# Allegro board reServer industrial J401 Carrier Board v11.brd (continued)
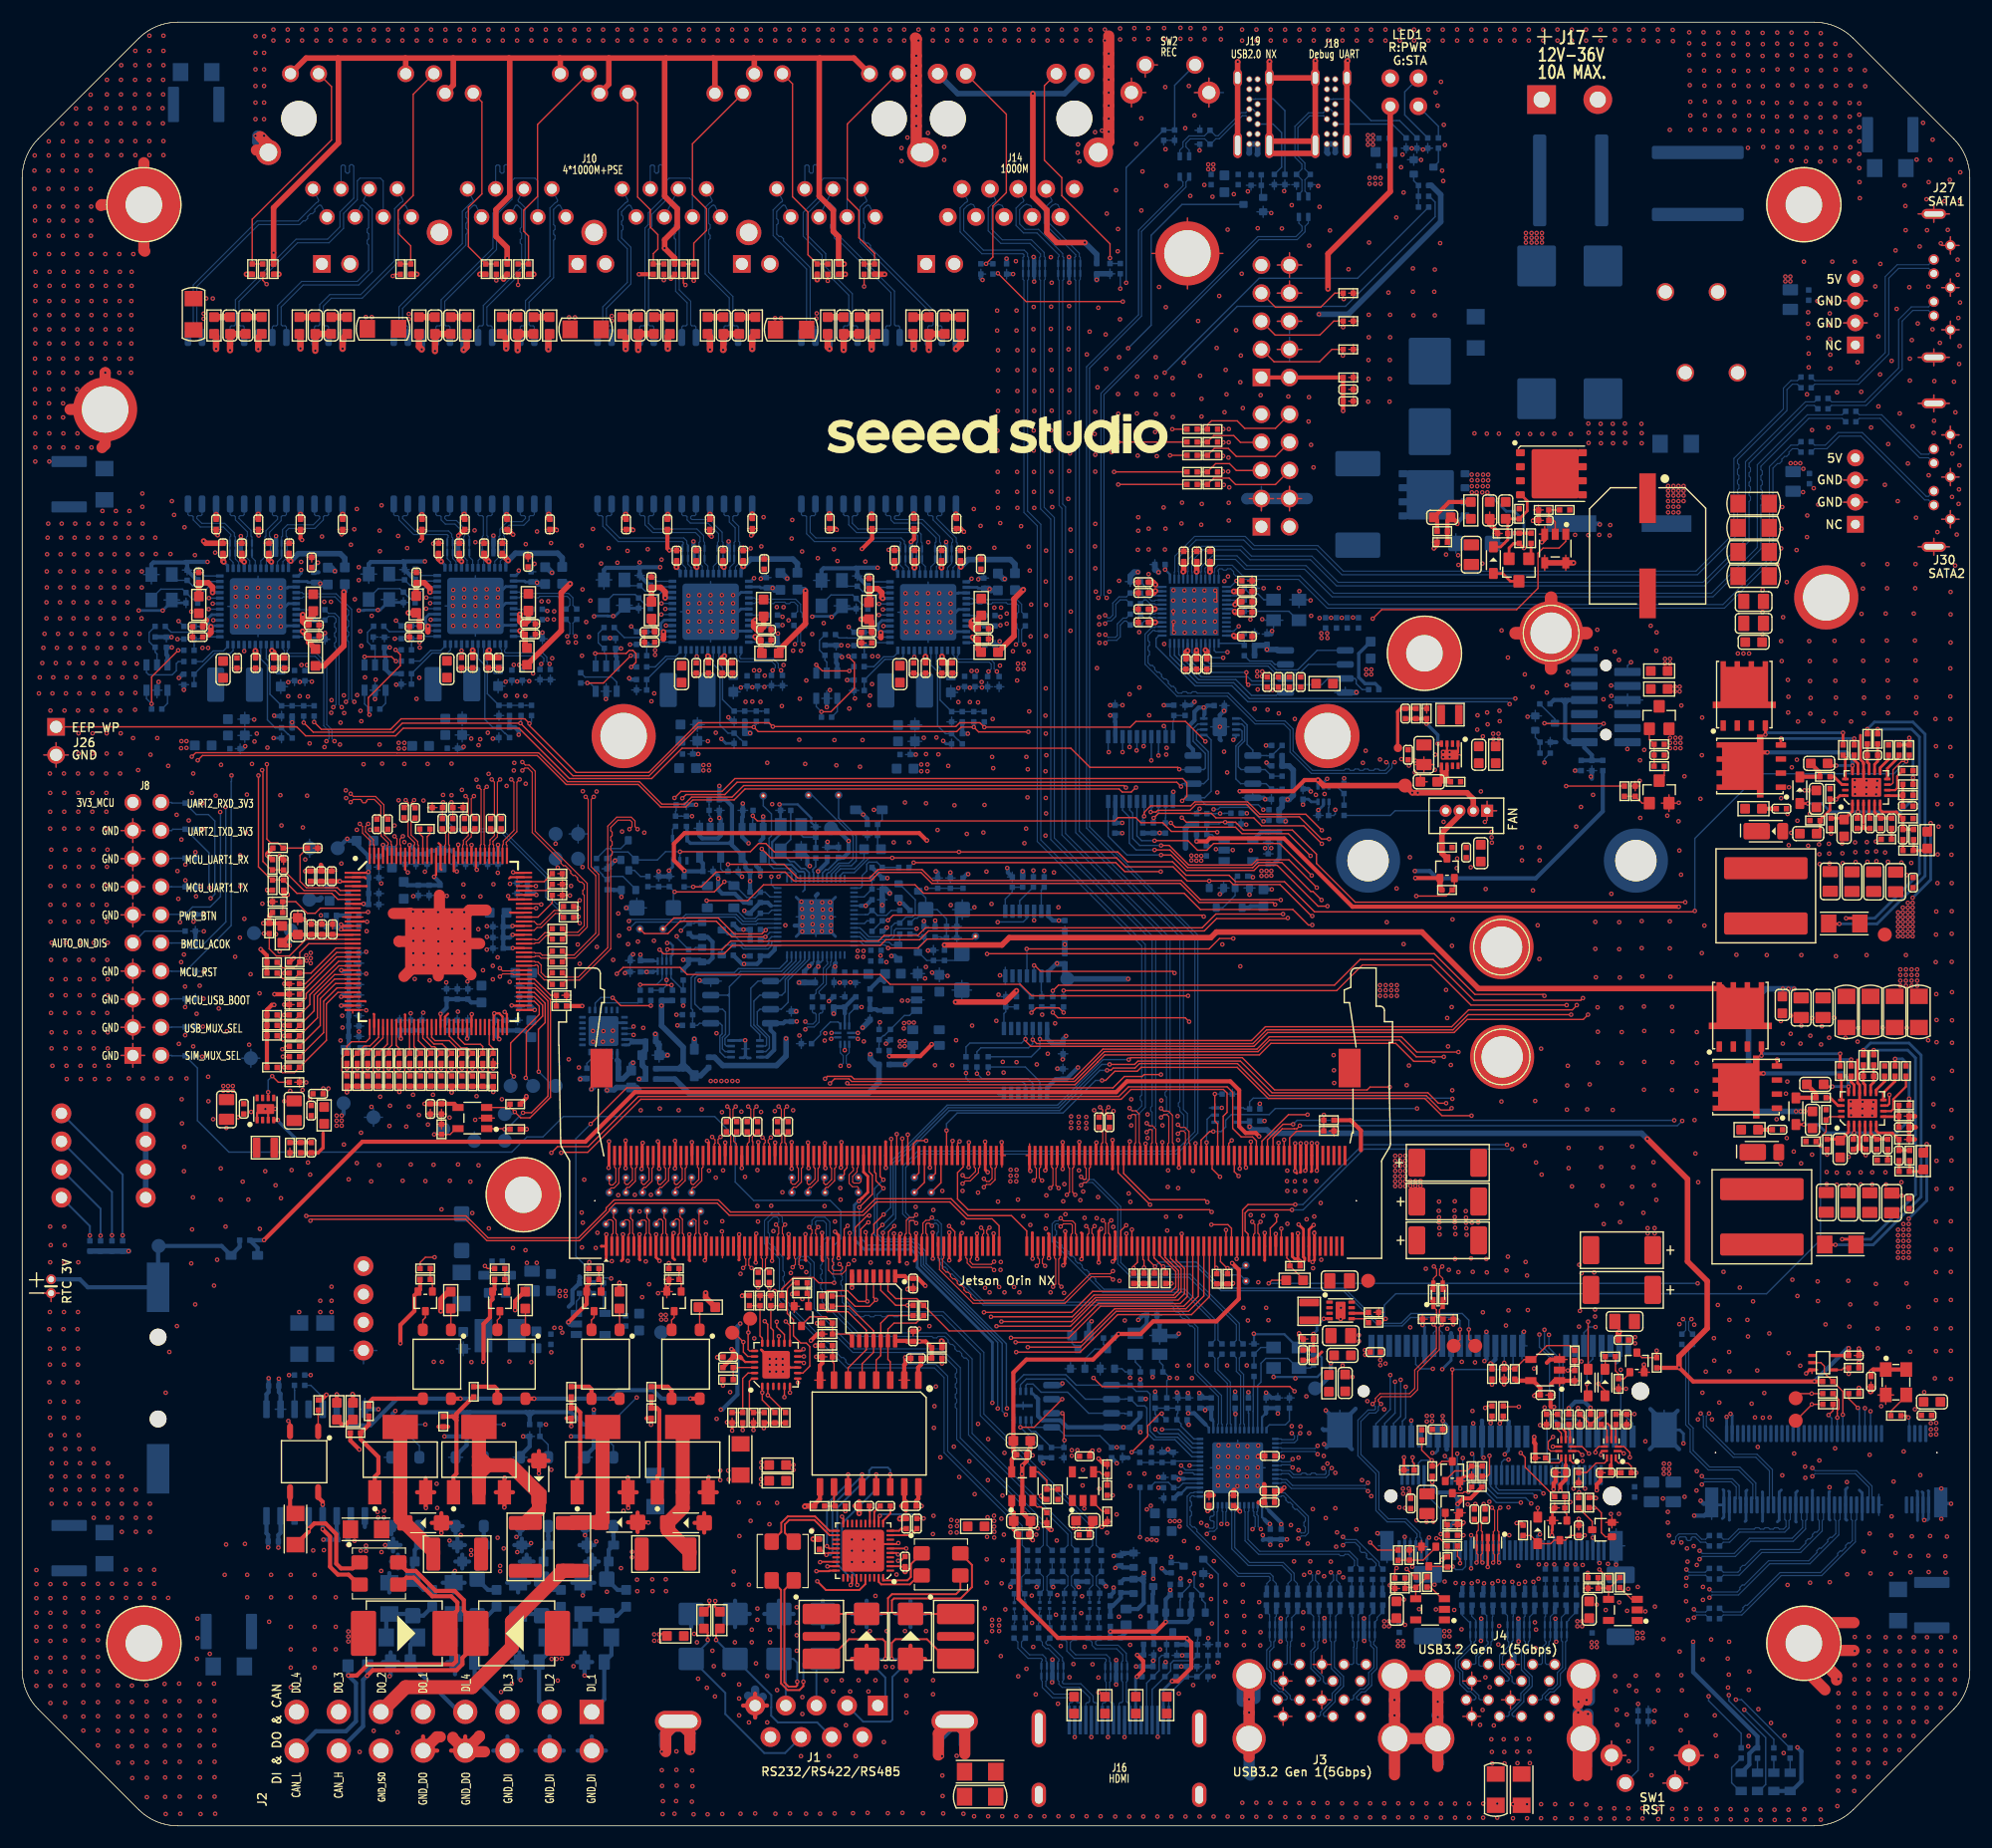
[diagram p0: board, top side]
## Routing (per net, layer and track width the routed paths; a pad name or vN(x,y) marks a point on that pad's centre or on a via; arc(x,y) is an arc through that point) (continued)
HDMI_CEC: length 61.3
  TOP w0.254: v1(75.62,56.47) 75.87,56.72 75.89,56.72 76.42,57.25 76.42,58.7 76.03,59.09 J9.94
  LAY3 w0.254: v1(87.67,38.23) 87.67,37.44 88.49,36.63 91.43,36.63 92.79,35.27 92.79,31.94 95.45,29.28 95.45,28.4 100.98,22.86 v1(101.37,22.86)
  BOTTOM w0.254: v1(87.67,38.23) 87.67,43.69 80.88,50.47 80.88,51.54 80.33,52.09 76.11,52.09 75.24,52.96 75.24,53.76 75.19,53.81 75.19,56.09 75.57,56.47 v1(75.62,56.47)
  BOTTOM w0.381: 101.35,22.57 101.06,22.29 ; 101.35,22.57 101.37,22.6 v1(101.37,22.86) ; 101.35,22.57 101.35,22.29 ; 101.06,22.29 Q20.2 99.57,22.29 R254.2 ; 101.06,22.29 101.06,22.27 101.35,21.99 ; 101.06,22.29 101.34,22.29 101.35,22.29 ; 101.35,21.99 101.35,20.14 100.81,19.6 D47.1 ; 101.35,21.99 101.35,22.29
HDMI_CEC_CON: length 8.4
  TOP w0.381: v1(100.76,15.44) 101.29,14.9 101.29,14.04 v1(100.73,13.48)
  BOTTOM w0.254: J16.13 100.61,13.36 v1(100.73,13.48)
  BOTTOM w0.381: v1(100.76,15.44) 101.32,15.44 C193.1 101.34,16.4 L23.2 ; D52.2 v1(100.73,13.48)
HDMI_CEC_Q: length 5.3
  BOTTOM w0.381: L23.1 102.26,17.27 102.16,17.37 D48.2 D47.2 102.16,20.94 102.21,20.99 Q20.3
HDMI_DDC_SCL: length 58.6
  TOP w0.127: J9.100 77.53,58.69 v1(77.83,58.39)
  LAY3 w0.127: v1(88.89,37.16) 91.48,37.16 93.08,35.56 93.08,32.13 103.23,21.99 105.37,21.99 v1(105.51,22.13)
  BOTTOM w0.127: v1(77.83,58.39) 77.01,57.58 77.01,53.44 77.67,52.79 80.46,52.79 81.45,51.8 81.45,50.71 88.56,43.6 88.56,37.49 v1(88.89,37.16) ; Q22.2 104.64,20.39 104.67,20.43 R256.2 105.51,21.71 v1(105.51,22.13)
HDMI_DDC_SCL_5V0: length 9.2
  BOTTOM w0.127: J16.15 101.61,12.9 D53.2 102.74,14.03 102.74,15.17 102.98,15.41 C195.1 103.42,15.95 103.42,15.95 R269.2 103.42,16.88 103.97,17.43 Q22.3
HDMI_DDC_SDA: length 59
  TOP w0.127: v1(77.83,57.61) 77.16,58.29 77.16,58.96 77.03,59.08 J9.98
  LAY3 w0.127: v1(88.99,37.72) 91.3,37.72 93.31,35.71 93.31,32.24 100.75,24.79 100.77,24.79 102.75,22.81 v1(105.91,22.81)
  BOTTOM w0.127: v1(105.91,22.81) 105.91,21.56 R255.2 106.6,20.42 106.62,20.42 106.91,20.12 Q21.2 ; v1(77.83,57.61) 77.25,57.04 77.25,53.52 77.76,53.01 80.56,53.01 81.69,51.89 81.69,50.81 88.94,43.56 88.94,37.78 v1(88.99,37.72)
HDMI_DDC_SDA_5V0: length 10.6
  BOTTOM w0.127: J16.16 102.11,12.33 D51.2 103.78,14 103.78,14.67 104.04,14.93 105.73,14.93 C194.1 R268.2 106.21,16.83 106.25,16.87 Q21.3
HDMI_HPD: length 56.9
  TOP w0.127: J9.96 76.53,59.1 76.83,58.8 76.83,57.08 v1(75.65,55.9)
  LAY3 w0.127: v1(103.83,24.3) 103.83,25.12 102.58,26.37 102.58,26.38 100.05,28.91 96.96,28.91 93.57,32.3 93.57,35.99 91.44,38.12 88.55,38.12 v1(88.16,37.72)
  BOTTOM w0.127: v1(103.83,24.3) R242.2 104.55,23.8 104.89,23.46 Q18.3 ; v1(75.65,55.9) 75.65,53.25 76.41,52.49 80.35,52.49 81.23,51.61 81.23,50.62 88.16,43.69 v1(88.16,37.72)
HDMI_HPD_CON: length 7.9
  BOTTOM w0.127: R259.2 107.16,15.4 D49.2 106.23,13.48 C196.1 C197.1 103.61,11.89 J16.19
HDMI_TX0_N: length 48.4
  TOP w0.102: J9.75 71.28,53.45 71.37,53.54 71.37,53.86 v1(71.12,54.1)
  BOTTOM w0.102: C172.1 94.82,25.35 94.82,26.49 85.84,35.46 85.84,42.2 83.49,44.55 75.56,44.55 72.61,47.5 72.61,52.68 72.99,53.06 72.99,54.57 72.55,55.01 71.66,55.01 71.37,54.72 71.37,54.35 v1(71.12,54.1)
HDMI_TX0_P: length 48.2
  TOP w0.102: v1(71.94,54.1) 71.69,53.86 71.69,53.54 71.78,53.45 J9.77
  BOTTOM w0.102: v1(71.94,54.1) 71.69,54.35 71.69,54.58 71.8,54.68 72.41,54.68 72.66,54.43 72.66,53.19 72.29,52.81 72.29,52.51 72.16,52.38 72.16,52.08 72.29,51.95 72.29,51.65 72.16,51.52 72.16,51.21 72.29,51.09 72.29,50.78 72.16,50.65 72.16,50.35 72.29,50.22 72.29,49.92 72.16,49.79 72.16,49.49 72.29,49.36 72.29,49.02 72.16,48.9 72.16,48.59 72.29,48.47 72.29,47.37 75.42,44.23 82.21,44.23 82.34,44.1 82.64,44.1 82.77,44.23 83.35,44.23 83.68,43.9 83.68,43.72 83.89,43.51 84.07,43.51 84.29,43.29 84.29,43.11 84.5,42.9 84.68,42.9 84.91,42.67 84.91,42.49 85.12,42.28 85.3,42.28 85.52,42.06 85.52,35.33 94.49,26.35 94.49,25.35 C173.1
HDMI_TX1_N: length 44.4
  TOP w0.102: J9.69 69.78,51.32 69.87,51.23 69.87,50.73 v1(69.62,50.48)
  BOTTOM w0.102: v1(69.62,50.48) 69.87,50.73 69.87,51.14 70.19,51.46 71.02,51.46 71.56,50.91 71.56,46.74 75.2,43.11 83.08,43.11 84.78,41.4 84.78,35.06 92.6,27.24 92.6,25.37 C174.1
HDMI_TX1_P: length 44.3
  TOP w0.102: J9.71 70.28,51.32 70.19,51.23 70.19,50.73 v1(70.44,50.48)
  BOTTOM w0.102: v1(70.44,50.48) 70.19,50.73 70.19,51 70.32,51.13 70.88,51.13 71.24,50.77 71.24,49.74 71.11,49.61 71.11,49.3 71.24,49.18 71.24,48.87 71.11,48.75 71.11,48.44 71.24,48.31 71.24,47.91 71.11,47.78 71.11,47.48 71.24,47.35 71.24,46.61 71.45,46.39 71.45,46.21 71.67,46 71.85,46 72.51,45.33 72.51,45.16 72.73,44.94 72.91,44.94 75.07,42.78 82.94,42.78 84.45,41.27 84.45,40.96 84.32,40.84 84.32,40.53 84.45,40.41 84.45,40.06 84.32,39.93 84.32,39.63 84.45,39.5 84.45,39.12 84.32,38.99 84.32,38.69 84.45,38.56 84.45,38.25 84.32,38.13 84.32,37.82 84.45,37.7 84.45,34.92 92.27,27.1 92.27,25.37 C175.1
HDMI_TX2_N: length 48.9
  TOP w0.102: J9.63 68.28,53.45 68.37,53.54 68.37,54.09 v1(68.12,54.33)
  BOTTOM w0.102: v1(68.12,54.33) 68.37,54.58 68.37,54.86 68.21,55.02 67.87,55.02 67.4,54.56 67.4,53.62 67.53,53.49 67.53,53.19 67.4,53.06 67.4,52.73 67.62,52.52 67.8,52.52 68.01,52.3 68.01,52.12 68.75,51.39 68.75,50.17 68.88,50.04 68.88,49.74 68.75,49.61 68.75,49.3 68.88,49.18 68.88,48.87 68.75,48.75 68.75,47.6 68.97,47.39 69.14,47.39 69.36,47.17 69.36,46.99 71.88,44.47 72.06,44.47 72.27,44.26 72.27,44.08 72.67,43.68 72.85,43.68 73.06,43.47 73.06,43.29 73.3,43.05 73.48,43.05 73.7,42.83 73.7,42.65 74.03,42.32 74.21,42.32 74.43,42.1 74.43,41.92 74.64,41.71 82.57,41.71 83.63,40.64 83.63,33.86 90.36,27.13 90.36,25.37 C176.1
HDMI_TX2_P: length 49
  TOP w0.102: J9.65 68.78,53.45 68.69,53.54 68.69,54.09 v1(68.94,54.33)
  BOTTOM w0.102: v1(68.94,54.33) 68.69,54.58 68.69,55 68.34,55.35 67.73,55.35 67.08,54.69 67.08,52.6 68.42,51.25 68.42,47.47 74.51,41.38 82.43,41.38 83.31,40.51 83.31,33.73 90.04,27 90.04,25.37 C177.1
HDMI_TXC_CON_LC_N: length 4.1
  BOTTOM w0.102: L16.1 97.31,20.53 97.37,20.59 C185.2 97.37,21.44 97.07,21.74 97.07,22.55 R244.2 C170.2
HDMI_TXC_CON_LC_P: length 4.1
  BOTTOM w0.102: L17.1 96.47,20.56 96.44,20.59 C185.1 96.44,21.44 96.74,21.74 96.74,22.55 96.29,23 R245.2 C171.2
HDMI_TXC_CON_N: length 10.1
  BOTTOM w0.102: R260.2 97,16.64 97,16.45 97.13,16.33 99.04,16.33 99.77,15.59 99.77,14.91 99.86,14.83 U40.5 U40.6 99.86,13.09 99.78,13.01 99.78,11.24 99.88,11.14 100.01,11.14 100.11,11.04 J16.12
HDMI_TXC_CON_P: length 10.1
  BOTTOM w0.102: R261.2 96.68,16.6 96.68,16.32 96.99,16 98.9,16 99.45,15.45 99.45,14.91 99.36,14.82 U40.4 U40.7 99.36,13.1 99.45,13.01 99.45,11.24 99.35,11.14 99.22,11.14 99.11,11.04 J16.10
HDMI_TXC_CON_R_N: length 1.8
  BOTTOM w0.102: L16.2 97.31,19.27 97.29,19.26 C191.2 97.29,18.36 97.33,18.32 R260.1
HDMI_TXC_CON_R_P: length 1.8
  BOTTOM w0.102: L17.2 96.47,18.93 C191.1 96.37,18.37 96.31,18.32 R261.1
HDMI_TXC_N: length 44.8
  TOP w0.102: J9.81 72.78,51.32 72.87,51.23 72.87,50.21 73.21,49.87 74.09,49.87 74.45,50.22 74.45,50.53 v1(74.68,50.76)
  BOTTOM w0.102: v1(74.68,50.76) 74.44,50.52 74.44,47.45 75.43,46.46 83.24,46.46 86.91,42.79 86.91,37.21 97.06,27.06 97.06,25.35 C170.1
HDMI_TXC_P: length 44.7
  TOP w0.102: J9.83 73.28,51.32 73.19,51.23 73.19,51.02 73.32,50.9 73.32,50.69 73.19,50.57 73.19,50.35 73.35,50.19 73.95,50.19 74.12,50.36 74.12,50.51 v1(73.87,50.76)
  BOTTOM w0.102: v1(73.87,50.76) 74.12,50.51 74.12,50.21 73.99,50.08 73.99,49.78 74.12,49.65 74.12,49.35 73.99,49.22 73.99,48.91 74.12,48.79 74.12,48.48 73.99,48.36 73.99,48.05 74.12,47.92 74.12,47.31 74.33,47.1 74.33,46.92 74.55,46.7 74.73,46.7 75.29,46.13 75.6,46.13 75.73,46.01 76.03,46.01 76.16,46.13 76.52,46.13 76.65,46.01 76.95,46.01 77.08,46.13 77.59,46.13 77.72,46.01 78.02,46.01 78.15,46.13 78.68,46.13 78.81,46.01 79.11,46.01 79.24,46.13 83.1,46.13 86.58,42.66 86.58,37.08 96.73,26.93 96.73,25.35 C171.1
HDMI_TXD0_CON_LC_N: length 4.1
  BOTTOM w0.102: C172.2 R246.2 95.27,23 94.82,22.55 94.82,21.73 95.12,21.43 C187.2 95.12,20.57 95.07,20.52 L18.1
HDMI_TXD0_CON_LC_P: length 4.1
  BOTTOM w0.102: C173.2 R247.2 94.04,23 94.49,22.55 94.49,21.73 94.19,21.43 C187.1 94.13,20.94 L19.1
HDMI_TXD0_CON_N: length 10.9
  BOTTOM w0.102: J16.9 98.61,11.04 98.51,11.14 98.38,11.14 98.28,11.24 98.28,13 98.36,13.09 U40.9 U40.2 98.36,14.76 98.27,14.85 98.27,15.17 97.98,15.46 95.2,15.46 94.72,15.94 94.72,16.6 R262.2
HDMI_TXD0_CON_P: length 10.9
  BOTTOM w0.102: R263.2 94.4,16.64 94.4,15.8 95.07,15.14 97.85,15.14 97.95,15.04 97.95,14.86 97.86,14.78 U40.1 U40.10 97.86,13.08 97.95,12.99 97.95,11.24 97.85,11.14 97.72,11.14 97.61,11.04 J16.7
HDMI_TXD0_CON_R_N: length 1.8
  BOTTOM w0.102: L18.2 95.07,19.32 95.04,19.29 C190.2 95.04,18.41 95.09,18.36 R262.1
HDMI_TXD0_CON_R_P: length 1.8
  BOTTOM w0.102: R263.1 94.08,18.37 94.12,18.41 C190.1 94.12,19.31 94.13,19.32 L19.2
HDMI_TXD1_CON_LC_N: length 4.1
  BOTTOM w0.102: C174.2 R248.2 92.6,22.53 92.6,21.3 C186.2 92.89,20.57 92.84,20.52 L20.1
HDMI_TXD1_CON_LC_P: length 4.1
  BOTTOM w0.102: C175.2 R249.2 92.28,22.52 92.28,21.32 C186.1 91.97,20.53 91.96,20.52 L15.1
HDMI_TXD1_CON_N: length 10.6
  BOTTOM w0.102: J16.6 97.11,11.04 97.01,11.14 96.88,11.14 96.78,11.24 96.78,11.73 95.66,12.84 94.11,12.84 94.01,12.94 94.01,13.08 94.1,13.16 U39.6 U39.5 94.1,14.83 94.01,14.91 94.01,15.21 92.87,16.35 92.64,16.35 92.51,16.48 92.51,16.62 R264.2
HDMI_TXD1_CON_P: length 10.6
  BOTTOM w0.102: R265.2 91.84,16.94 92.19,16.59 92.19,16.34 92.51,16.02 92.74,16.02 93.68,15.07 93.68,14.91 93.6,14.82 U39.4 U39.7 93.6,13.15 93.68,13.07 93.68,12.81 93.97,12.52 95.53,12.52 96.45,11.59 96.45,11.24 96.35,11.14 96.22,11.14 96.11,11.04 J16.4
HDMI_TXD1_CON_R_N: length 1.8
  BOTTOM w0.102: L20.2 92.84,19.27 92.83,19.27 C189.2 92.83,18.34 92.86,18.32 R264.1
HDMI_TXD1_CON_R_P: length 1.8
  BOTTOM w0.102: R265.1 91.84,18.32 91.91,18.38 C189.1 91.91,19.27 91.96,19.33 L15.2
HDMI_TXD2_CON_LC_N: length 4.2
  BOTTOM w0.102: L22.1 90.6,20.47 90.59,20.47 C188.2 90.32,21.25 90.32,21.67 90.32,21.67 90.32,22.48 R250.2 C176.2
HDMI_TXD2_CON_LC_P: length 4.1
  BOTTOM w0.102: C177.2 R251.2 89.99,22.57 89.99,21.78 89.99,21.78 89.99,21.3 C188.1 ; L21.1 89.66,20.49 89.67,20.5 C188.1 ; C188.1 89.69,20.98
HDMI_TXD2_CON_N: length 11.6
  BOTTOM w0.102: J16.3 95.61,11.04 95.51,11.14 95.38,11.14 95.28,11.24 95.28,11.52 94.89,11.91 93.24,11.91 92.51,12.64 92.51,13.07 92.6,13.16 U39.9 U39.2 92.6,14.81 92.51,14.9 92.51,15.17 92.22,15.46 91.03,15.46 90.3,16.19 90.3,16.62 R266.2
HDMI_TXD2_CON_P: length 11.6
  BOTTOM w0.102: R267.2 89.98,16.62 89.98,16.06 90.9,15.14 92.08,15.14 92.18,15.04 92.18,14.94 92.1,14.85 U39.1 U39.10 92.1,13.16 92.18,13.07 92.18,12.51 93.11,11.58 94.76,11.58 94.95,11.39 94.95,11.24 94.85,11.14 94.72,11.14 94.61,11.04 J16.1
HDMI_TXD2_CON_R_N: length 1.7
  BOTTOM w0.102: L22.2 90.6,19.26 90.62,19.24 C192.2 90.62,18.35 90.65,18.32 R266.1
HDMI_TXD2_CON_R_P: length 1.8
  BOTTOM w0.102: R267.1 89.63,18.32 89.69,18.38 C192.1 89.69,19.24 89.66,19.28 L21.2
HUB_HSD1_N: length 31.6
  LAY4 w0.084: v1(115.48,35.49) 115.22,35.23 115.22,34.4 116.98,32.64 116.98,31.35 123.66,24.67 133.82,24.67 134.39,24.1 134.39,22.32 v1(134.65,22.06)
  BOTTOM w0.107: v1(134.65,22.06) 134.75,21.96 L6.4 134.79,21.3 R29.1 ; v1(115.48,35.49) 115.24,35.24 115.24,34.89 114.98,34.63 113.83,34.63 113.76,34.56 U8.2
HUB_HSD1_P: length 31.4
  LAY4 w0.084: v1(114.73,35.49) 114.99,35.23 114.99,34.3 116.75,32.54 116.75,31.25 123.57,24.43 131.92,24.43 132.05,24.3 132.35,24.3 132.48,24.43 132.86,24.43 132.99,24.3 133.29,24.3 133.42,24.43 133.73,24.43 134.16,24 134.16,23.18 134.03,23.05 134.03,22.75 134.16,22.62 134.16,22.32 v1(133.9,22.06)
  BOTTOM w0.107: U8.1 113.76,34.96 113.83,34.9 114.86,34.9 114.97,35.01 114.97,35.24 v1(114.73,35.49) ; v1(133.9,22.06) L6.1 133.85,21.3 R36.1
HUB_HSD2_N: length 31.2
  LAY4 w0.084: v1(136.56,22.06) 136.3,22.32 136.3,23.92 134.62,25.61 124.25,25.61 118.08,31.78 118.08,32.08 v1(118.34,32.34)
  BOTTOM w0.107: U8.9 113.76,31.76 113.83,31.83 114.44,31.83 114.78,31.48 117.83,31.48 118.09,31.75 118.09,32.09 v1(118.34,32.34) ; R30.1 136.7,21.3 L7.4 136.65,21.96 v1(136.56,22.06)
HUB_HSD2_P: length 31
  LAY4 w0.084: v1(135.8,22.06) 136.06,22.32 136.06,22.96 135.94,23.09 135.94,23.39 136.06,23.52 136.06,23.82 134.52,25.37 124.15,25.37 117.84,31.68 117.84,32.08 v1(117.58,32.34)
  BOTTOM w0.107: R37.1 135.76,21.3 L7.1 v1(135.8,22.06) ; U8.8 113.76,32.16 113.83,32.1 114.55,32.1 114.9,31.75 115.54,31.75 115.66,31.88 115.97,31.88 116.1,31.75 116.4,31.75 116.53,31.88 116.83,31.88 116.96,31.75 117.72,31.75 117.82,31.86 117.82,32.09 v1(117.58,32.34)
HUB_HSD3_N: length 14.6
  LAY4 w0.084: v1(117.11,22.91) 116.85,22.65 116.85,22.25 116.6,22 113.43,22 111.44,23.99 111.44,26.55 v1(111.18,26.81)
  BOTTOM w0.107: R16.1 117.19,21.32 L1.4 117.16,21.9 116.87,22.19 116.87,22.67 v1(117.11,22.91) ; v1(111.18,26.81) 111.42,27.05 111.42,27.9 111.3,28.02 111.3,28.38 111.24,28.44 U8.18
HUB_HSD3_P: length 14.5
  LAY4 w0.084: v1(116.36,22.91) 116.62,22.65 116.62,22.35 116.51,22.24 115.71,22.24 115.59,22.36 115.28,22.36 115.16,22.24 114.85,22.24 114.72,22.36 114.42,22.36 114.29,22.24 113.53,22.24 113.31,22.45 113.31,22.63 113.1,22.85 112.92,22.85 112.7,23.06 112.7,23.24 112.48,23.46 112.3,23.46 111.67,24.09 111.67,24.39 111.8,24.52 111.8,24.82 111.67,24.95 111.67,25.26 111.8,25.38 111.8,25.69 111.67,25.82 111.67,26.55 v1(111.93,26.81)
  BOTTOM w0.107: R19.1 116.26,21.3 L1.1 116.31,21.9 116.6,22.19 116.6,22.67 v1(116.36,22.91) ; v1(111.93,26.81) 111.69,27.05 111.69,28.01 111.57,28.13 111.57,28.38 111.64,28.44 U8.17
HUB_HSD4_N: length 20.3
  LAY4 w0.084: v1(119.02,22.91) 118.76,22.65 118.76,21.79 117.84,20.87 112.09,20.87 108.51,24.45 108.51,27.13 v1(108.36,27.28)
  BOTTOM w0.107: U8.25 108.44,28.44 108.5,28.38 108.5,27.42 v1(108.36,27.28) ; v1(119.02,22.91) 118.77,22.67 118.77,22.19 119.06,21.9 L37.4 119.09,21.32 R560.1
HUB_HSD4_P: length 20.1
  LAY4 w0.084: v1(108.9,27.28) 108.75,27.13 108.75,24.55 108.96,24.33 109.14,24.33 109.36,24.11 109.36,23.94 109.57,23.72 109.75,23.72 109.97,23.5 109.97,23.32 112.18,21.11 114.29,21.11 114.42,21.24 114.72,21.24 114.85,21.11 115.16,21.11 115.28,21.24 115.59,21.24 115.71,21.11 116.02,21.11 116.15,21.24 116.45,21.24 116.58,21.11 116.88,21.11 117.01,21.24 117.31,21.24 117.44,21.11 117.75,21.11 118.52,21.88 118.52,22.65 v1(118.26,22.91)
  BOTTOM w0.107: v1(118.26,22.91) 118.5,22.67 118.5,22.19 118.21,21.9 L37.1 118.17,21.3 R561.1 ; U8.24 108.84,28.44 108.77,28.38 108.77,27.4 v1(108.9,27.28)
HUB_PRT_CTL1: length 43
  TOP w0.127: v1(142.52,23.17) 143.26,22.43 R41.1
  LAY3 w0.127: v1(105.49,32.56) 108.26,29.8 120.34,29.8 125.34,24.79 140.9,24.79 v1(142.52,23.17)
  BOTTOM w0.127: U8.36 v1(105.49,32.56)
HUB_PRT_CTL2: length 43.6
  TOP w0.127: v1(141.47,22.86) 141.49,22.84 R42.1
  LAY3 w0.127: v1(141.47,22.86) 141.46,22.87 141.46,23.83 140.81,24.49 125.32,24.49 120.24,29.57 107.89,29.57 104.9,32.56 v1(104.73,32.56)
  BOTTOM w0.127: U8.35 105.13,32.16 v1(104.73,32.56)
HUB_PRT_CTL3: length 27.7
  TOP w0.127: R10.1 125.84,22.48 v1(125.11,23.21)
  LAY3 w0.127: v1(125.11,23.21) 125.11,24.37 120.22,29.26 107.64,29.26 105,31.9 v1(104.68,31.9)
  BOTTOM w0.127: U8.34 105.92,31.76 105.78,31.9 v1(104.68,31.9)
HUB_PRT_CTL4: length 29.9
  TOP w0.127: R15.1 124.04,23.14 v1(124.2,23.29)
  LAY3 w0.127: v1(124.2,23.29) 103.62,23.29 101.01,25.91 v1(101.01,26.09)
  BOTTOM w0.127: R566.2 v1(101.01,26.09)
HUB_RBIAS: length 3.7
  BOTTOM w0.127: U8.56 112.44,35.98 112.71,36.24 114.15,36.24 114.51,36.6 R43.1
HUB_RST: length 7.1
  BOTTOM w0.127: U8.42 105.88,34.96 104.72,36.13 104.72,36.33 R285.1 104.35,37.22 104.44,37.31 C40.1 R53.2 R57.2 102.38,37.2 102.45,37.14 R55.2
HUB_SPI_CE: length 18.3
  LAY4 w0.127: v1(103,35.82) 101.39,34.21 v1(98.91,34.21)
  BOTTOM w0.127: U8.41 105.78,34.56 104.51,35.82 v1(103,35.82) ; R396.1 98.93,34.2 v1(98.91,34.21) 98.9,34.2 R69.2 97.39,35.25 94.27,35.25 93.51,36.02 U11.1 91.32,36.02 91.2,36.13 U12.1
HUB_SPI_CLK: length 21.3
  BOTTOM w0.127: U11.6 96.08,38.56 94.26,40.38 90.74,40.38 90.2,39.85 U12.6 ; U11.6 98.48,38.61 ; U11.6 99.68,38.56 99.71,38.58 R60.1 100.78,37.95 101.44,37.95 101.63,37.76 101.63,35.53 102.27,34.9 104.17,34.9 105.71,33.36 U8.38
HUB_SPI_HOLD: length 11.1
  BOTTOM w0.127: U12.7 90.7,39.81 90.81,39.93 91.34,39.93 92.08,39.19 94.47,39.19 96.37,37.29 U11.7 99.61,37.29 99.65,37.25 R62.2
HUB_SPI_MISO: length 22.3
  TOP w0.127: v1(93.99,37.29) 94.14,37.14 94.14,34.89 v1(94.18,34.85)
  LAY4 w0.127: v1(94.18,34.85) 101.4,34.85 v1(102.39,35.84)
  BOTTOM w0.127: U8.40 105.74,34.16 104.48,35.43 102.8,35.43 v1(102.39,35.84) ; v1(94.18,34.85) 94.14,34.8 R72.1 R395.2 91.57,35.63 91.18,35.63 90.7,36.12 U12.2 ; U11.2 v1(93.99,37.29)
HUB_SPI_MOSI: length 22.6
  BOTTOM w0.127: U8.39 105.76,33.76 104.4,35.13 102.47,35.13 101.93,35.67 101.93,39.01 101.67,39.27 100.67,39.27 R61.2 99.68,39.82 99.67,39.83 U11.5 95.25,39.83 94.32,40.76 90.51,40.76 89.7,39.96 U12.5
HUB_SPI_WP: length 9
  TOP w0.127: v1(93.98,38.56) 91.44,36.02 v1(90.2,36.02)
  BOTTOM w0.127: U11.3 v1(93.98,38.56) ; R75.2 v1(90.2,36.02) U12.3
HUB_SSRX1_N: length 26.5
  LAY4 w0.084: v1(114.81,32.39) 115.07,32.65 115.43,32.65 115.88,32.19 115.88,30.54 123.87,22.56 128.87,22.56 129,22.43 129.3,22.43 129.43,22.56 129.74,22.56 129.86,22.43 130.17,22.43 130.29,22.56 130.67,22.56 130.8,22.43 131.11,22.43 131.23,22.56 132.1,22.56 132.36,22.3 132.36,22.18 v1(132.1,21.92)
  BOTTOM w0.107: v1(132.1,21.92) 132.04,21.86 L5.1 131.98,21.26 R31.1 ; v1(114.81,32.39) 114.56,32.63 113.83,32.63 113.76,32.56 U8.7
HUB_SSRX1_P: length 26.6
  LAY4 w0.084: v1(132.85,21.92) 132.59,22.18 132.59,22.39 132.19,22.79 123.97,22.79 116.12,30.64 116.12,32.29 115.53,32.88 115.07,32.88 v1(114.81,33.14)
  BOTTOM w0.107: v1(114.81,33.14) 114.56,32.9 113.83,32.9 113.76,32.96 U8.6 ; R28.1 132.91,21.3 L5.4 132.89,21.88 v1(132.85,21.92)
HUB_SSRX2_N: length 25.7
  LAY4 w0.084: v1(115.33,26.71) 115.59,26.45 115.94,26.45 116.07,26.58 116.37,26.58 116.5,26.45 116.87,26.45 120.77,22.56 120.95,22.56 121.16,22.34 121.16,22.16 121.38,21.95 121.56,21.95 121.77,21.73 121.77,21.55 121.99,21.34 126.81,21.34 126.94,21.47 127.25,21.47 127.37,21.34 127.68,21.34 127.8,21.47 128.11,21.47 128.24,21.34 128.54,21.34 128.67,21.47 128.97,21.47 129.1,21.34 129.4,21.34 129.53,21.47 129.84,21.47 129.96,21.34 130.29,21.34 130.49,21.54 130.49,21.66 v1(130.23,21.92)
  BOTTOM w0.107: v1(115.33,26.71) 115.58,26.47 115.85,26.47 115.95,26.58 115.95,26.99 115.83,27.12 115.83,27.42 115.95,27.55 115.95,27.85 115.2,28.61 115.02,28.61 114.8,28.82 114.8,29 114.59,29.22 114.41,29.22 114.19,29.43 114.19,29.61 113.98,29.83 113.83,29.83 113.76,29.76 U8.14 ; R32.1 130.09,21.27 L4.1 130.14,21.88 130.18,21.92 v1(130.23,21.92)
HUB_SSRX2_P: length 25.9
  LAY4 w0.084: v1(115.33,25.96) 115.59,26.22 116.78,26.22 121.89,21.1 130.38,21.1 130.73,21.45 130.73,21.66 v1(130.99,21.92)
  BOTTOM w0.107: U8.13 113.76,30.16 113.83,30.1 114.09,30.1 116.22,27.97 116.22,26.46 115.96,26.2 115.58,26.2 v1(115.33,25.96) ; R33.1 131.03,21.29 L4.4 v1(130.99,21.92)
HUB_SSRX3_N: length 12.3
  BOTTOM w0.107: R283.1 114.33,21.3 L2.1 114.38,21.9 114.67,22.19 114.67,22.71 113.85,23.53 110.8,23.53 109.3,25.03 109.3,28.38 109.24,28.44 U8.23
HUB_SSRX3_P: length 12.3
  BOTTOM w0.107: U8.22 109.64,28.44 109.57,28.38 109.57,25.14 110.91,23.8 113.96,23.8 114.94,22.83 114.94,22.19 115.23,21.9 L2.4 115.26,21.32 R289.1
HUB_SSRX4_N: length 15.1
  BOTTOM w0.107: R562.1 112.43,21.3 L38.1 112.47,21.9 112.76,22.19 112.76,22.44 112.66,22.54 109.84,22.54 105.27,27.11 105.27,29.78 105.59,30.1 105.85,30.1 105.92,30.16 U8.30
HUB_SSRX4_P: length 15
  BOTTOM w0.107: U8.29 105.92,29.76 105.85,29.83 105.7,29.83 105.54,29.67 105.54,29.37 105.67,29.24 105.67,28.93 105.54,28.81 105.54,28.5 105.67,28.38 105.67,28.07 105.54,27.94 105.54,27.22 105.76,27 105.94,27 106.15,26.79 106.15,26.61 109.95,22.81 112.77,22.81 113.03,22.55 113.03,22.19 113.32,21.9 L38.4 113.35,21.32 R563.1
HUB_SSTX1_C_N: length 1.4
  BOTTOM w0.107: R38.1 137.64,21.34 L8.1 137.66,22.27 C6.2
HUB_SSTX1_C_P: length 1.5
  BOTTOM w0.107: C7.2 138.57,22.24 138.51,22.18 L8.4 138.58,21.27 R39.1
HUB_SSTX1_N: length 31
  LAY4 w0.084: v1(137.72,23.62) 137.96,23.87 137.96,24.23 137.74,24.45 137.56,24.45 137.35,24.67 137.35,24.85 136.94,25.25 136.76,25.25 136.55,25.47 136.55,25.65 135.48,26.72 124.02,26.72 119.16,31.58 119.16,32.57 118.49,33.24 118.32,33.24 118.1,33.45 118.1,33.63 117.88,33.85 117.32,33.85 v1(117.06,33.59)
  BOTTOM w0.107: U8.4 113.76,33.76 113.83,33.83 116.82,33.83 v1(117.06,33.59) ; v1(137.72,23.62) 137.72,23.29 C6.1
HUB_SSTX1_P: length 31.1
  LAY4 w0.084: v1(138.45,23.62) 138.2,23.87 138.2,24.33 135.58,26.95 124.12,26.95 119.4,31.68 119.4,32.67 117.98,34.08 117.32,34.08 v1(117.06,34.34)
  BOTTOM w0.107: U8.3 113.76,34.16 113.83,34.1 116.82,34.1 v1(117.06,34.34) ; v1(138.45,23.62) 138.45,23.32 138.55,23.22 C7.1
HUB_SSTX2_C_N: length 1.5
  BOTTOM w0.107: C8.2 139.52,21.39 L9.1 139.51,21.3 R34.1
HUB_SSTX2_C_P: length 1.4
  BOTTOM w0.107: R35.1 140.45,21.31 L9.4 140.45,21.39 C9.2
HUB_SSTX2_N: length 32.3
  LAY4 w0.084: v1(121.61,30.25) 121.87,30.51 122.08,30.51 122.37,30.22 122.37,29.49 123.8,28.06 137.26,28.06 138.63,26.69 138.63,26.51 138.85,26.29 139.03,26.29 139.24,26.07 139.24,25.89 139.46,25.68 139.64,25.68 139.86,25.46 139.86,24.75 139.73,24.62 139.73,24.32 139.86,24.19 139.86,23.89 v1(139.59,23.62)
  BOTTOM w0.107: v1(121.61,30.25) 121.36,30.49 114.69,30.49 114.15,31.03 113.83,31.03 113.76,30.96 U8.11 ; v1(139.59,23.62) 139.59,23.29 C8.1
HUB_SSTX2_P: length 32.4
  LAY4 w0.084: v1(140.35,23.62) 140.09,23.89 140.09,25.56 137.36,28.3 123.89,28.3 122.61,29.59 122.61,30.32 122.18,30.75 121.87,30.75 v1(121.61,31.01)
  BOTTOM w0.107: v1(140.35,23.62) 140.35,23.32 C9.1 ; U8.10 113.76,31.36 113.83,31.3 114.26,31.3 114.8,30.76 121.36,30.76 v1(121.61,31.01)
HUB_SSTX3_C_N: length 1.5
  BOTTOM w0.107: R558.1 120.1,21.3 L3.1 120.14,22.17 C204.2
HUB_SSTX3_C_P: length 1.4
  BOTTOM w0.107: R559.1 121.02,21.32 L3.4 120.99,22.26 C207.2
HUB_SSTX3_N: length 14.9
  BOTTOM w0.107: C204.1 120.39,23.54 120.39,23.99 119.84,24.54 119.54,24.54 119.41,24.41 119.11,24.41 118.98,24.54 111.73,24.54 110.5,25.76 110.5,28.38 110.44,28.44 U8.20
HUB_SSTX3_P: length 14.8
  BOTTOM w0.107: U8.19 110.84,28.44 110.77,28.38 110.77,25.87 111.84,24.81 119.96,24.81 120.66,24.1 120.66,23.54 C207.1
HUB_SSTX4_C_N: length 1.4
  BOTTOM w0.107: C453.2 122.07,22.22 L39.1 122.03,21.3 R564.1
HUB_SSTX4_C_P: length 1.4
  BOTTOM w0.107: R565.1 122.95,21.32 L39.4 122.92,22.23 C454.2
HUB_SSTX4_N: length 24.8
  LAY4 w0.084: v1(119.35,25.36) 119.09,25.62 118.69,25.62 116.52,27.8 113.12,27.8 113,27.67 112.69,27.67 112.56,27.8 112.26,27.8 112.13,27.67 111.83,27.67 111.7,27.8 111.4,27.8 111.27,27.67 110.96,27.67 110.84,27.8 110.53,27.8 110.41,27.67 110.1,27.67 109.97,27.8 109.67,27.8 109.54,27.67 109.24,27.67 109.11,27.8 108.12,27.8 107.99,27.67 107.69,27.67 107.56,27.8 107.26,27.8 107.13,27.67 106.82,27.67 106.7,27.8 106.35,27.8 106.19,27.64 106.19,27.13 106.44,26.87 106.79,26.87 v1(107.05,27.14)
  BOTTOM w0.107: v1(119.35,25.36) 119.6,25.61 120.45,25.61 120.89,25.16 120.89,25.01 120.88,25.01 120.88,24.86 121.04,24.7 121.19,24.7 121.19,24.71 121.34,24.71 121.49,24.56 121.49,24.41 121.49,24.4 121.49,24.25 121.64,24.1 121.79,24.1 121.79,24.11 121.95,24.11 122.34,23.71 122.34,23.52 122.02,23.2 C453.1 ; v1(107.05,27.14) 107.3,26.89 107.6,26.89 107.7,27 107.7,27.45 107.6,27.56 107.44,27.56 107.33,27.67 107.33,27.88 107.44,27.99 107.6,27.99 107.7,28.09 107.7,28.38 107.64,28.44 U8.27
HUB_SSTX4_P: length 24.8
  LAY4 w0.084: v1(107.05,26.38) 106.79,26.64 106.35,26.64 105.95,27.03 105.95,27.74 106.25,28.04 116.61,28.04 118.79,25.86 119.09,25.86 v1(119.35,26.12)
  BOTTOM w0.107: C454.1 122.94,23.2 122.61,23.52 122.61,23.82 120.56,25.87 119.6,25.87 v1(119.35,26.12) ; U8.26 108.04,28.44 107.97,28.38 107.97,26.89 107.71,26.62 107.3,26.62 v1(107.05,26.38)
HUB_TEST: length 2
  BOTTOM w0.127: U8.52 110.84,37.28 110.81,37.31 R49.1
HUB_USBOC1/2: length 2
  TOP w0.127: U5.3 145.44,20.47 R40.1
HUB_USBOC3/4: length 2
  TOP w0.127: R17.1 127.26,21.58 128.32,20.52 U1.3
HUB_XTALI: length 11.6
  BOTTOM w0.127: U8.54 111.64,39.8 111.94,40.1 111.94,41.81 112.38,42.25 114.39,42.25 115.25,41.38 X1.3 116.41,41.38 C17.1
HUB_XTALO: length 4.9
  BOTTOM w0.127: U8.53 111.24,37.45 111.25,37.45 111.25,38.89 111.25,38.98 111.25,39.67 111.31,39.74 R48.2
I2C0_A0: length 4.4
  TOP w0.127: U51.18 66.88,44.07 66.68,44.28 R379.1 R380.2
I2C0_A1: length 5.3
  TOP w0.127: R383.1 R384.2 65.11,40.43 65.6,40.92 U51.23
I2C0_A2: length 4.5
  TOP w0.127: R385.2 R381.1 65.71,37.73 65.71,40.19 65.95,40.42 U51.24
I2C0_INT: length 3
  TOP w0.127: U51.22 64.69,41.42 64.69,41.42 R382.2 R386.2
I2C0_INT_GPIO12: length 41.7
  TOP w0.127: v1(109.44,80.19) 108.2,80.19 107.26,79.25 v1(90.77,79.25) ; v1(109.3,61.94) 109.03,61.67 J9.218
  LAY3 w0.127: v1(109.3,61.94) 109.3,62.53 109.92,63.15 109.92,66.46 109.44,66.95 v1(109.44,80.19)